# Altium PCB MS1_PCB.PcbDoc (part 2 of 2)
Units mil, origin at the board's own origin, x right, y up, seen from the top; angles counter-clockwise.
Board outline 2755.91 x 5905.51 mil, 4 copper layers (Top Layer, Int Layer 1, Int Layer 2, Bottom Layer), stack 72.136 mil thick; 184 components, 147 nets, 629 pads, 206 vias.
Unrouted connection lines stored in the file: 2.
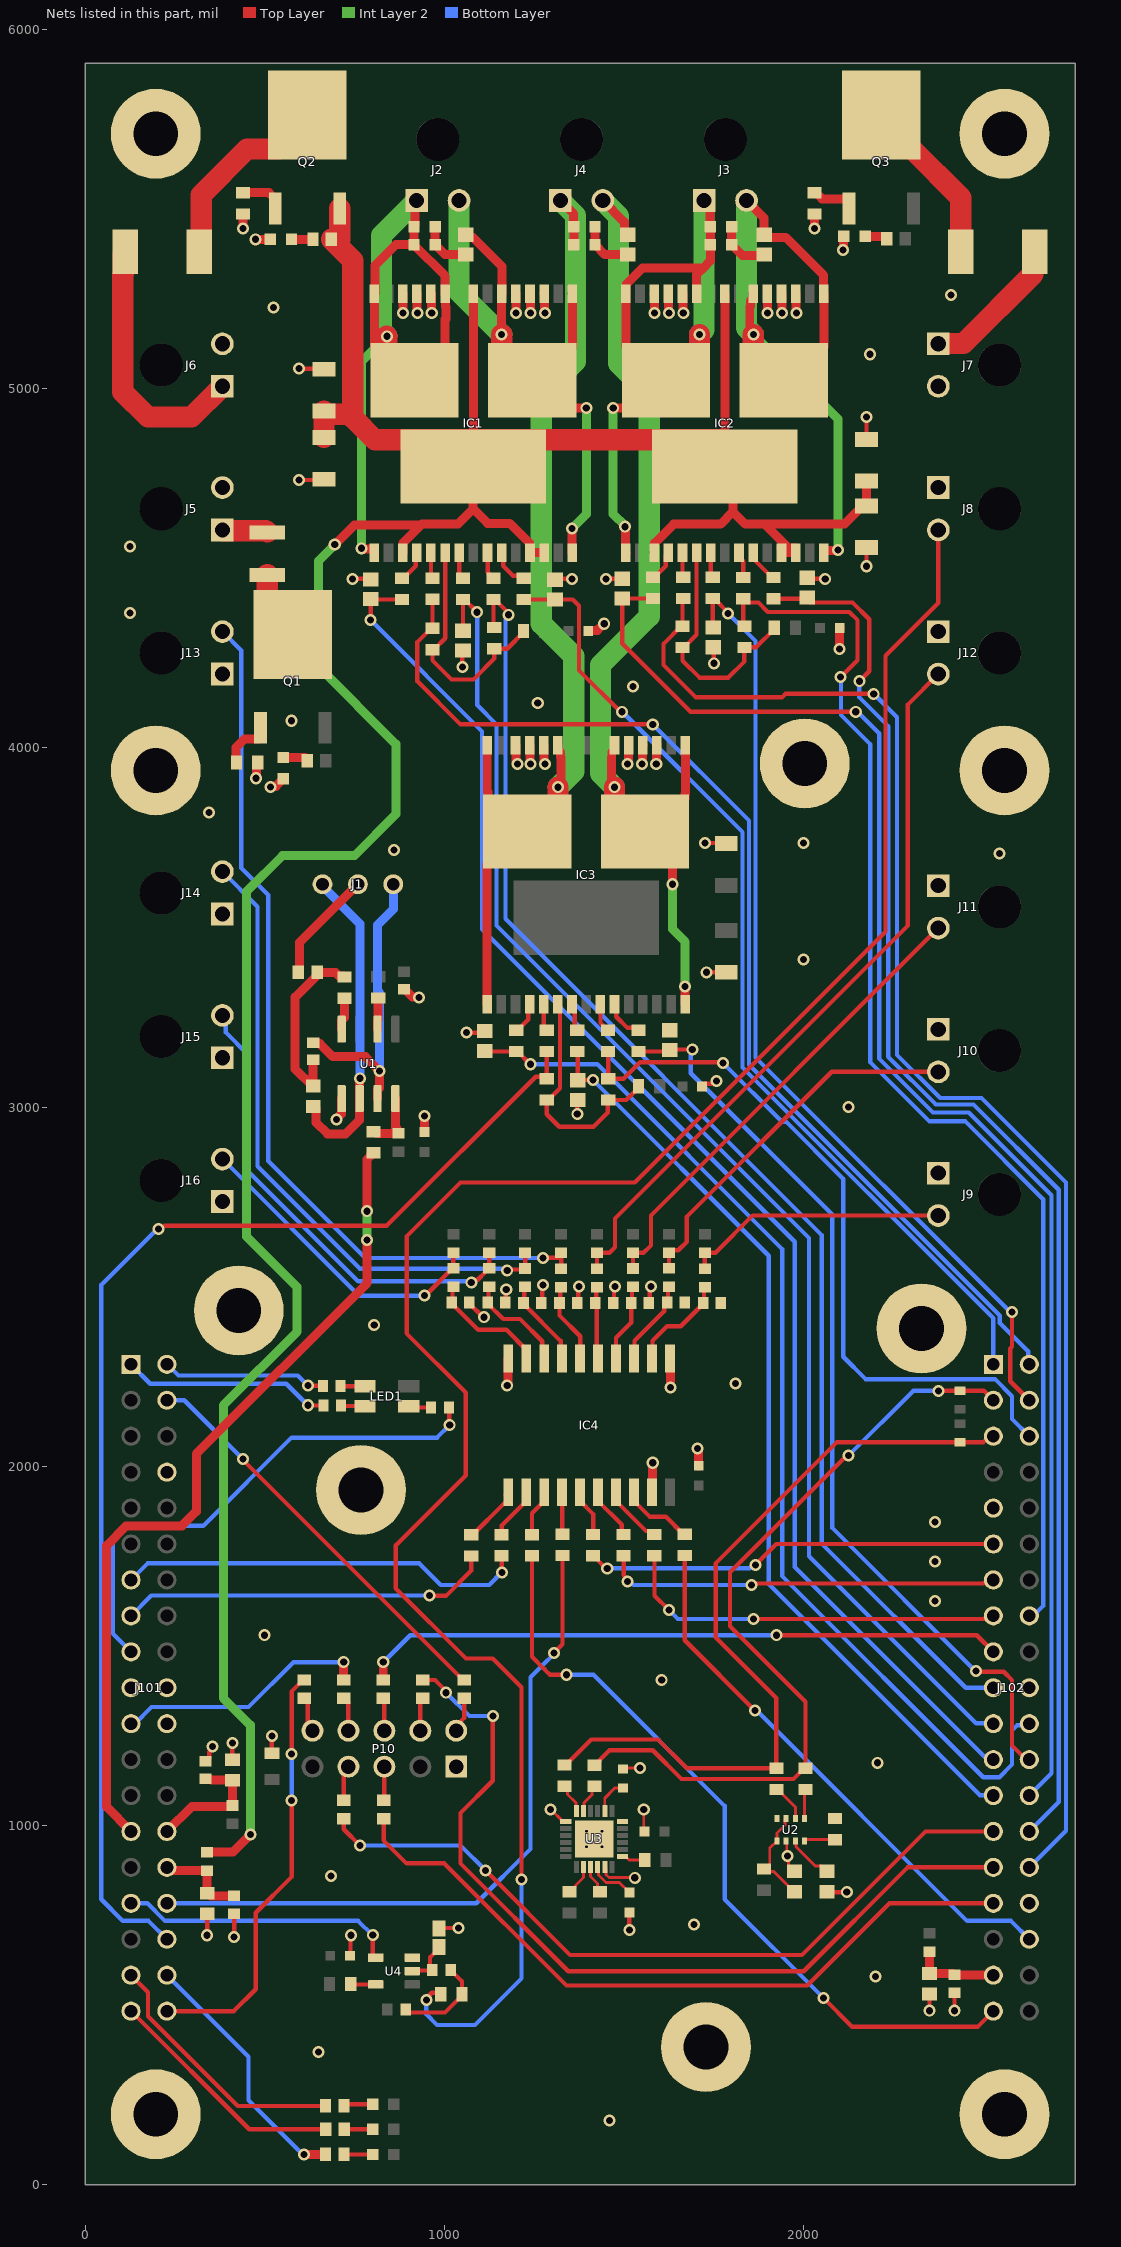
[diagram p4: the nets of this part, all layers, seen from the top]

## Via types
v1: diameter 33.46, hole 19.68, Top Layer to Bottom Layer, 202 vias
v2: diameter 19.68, hole 7.87, Top Layer to Bottom Layer, 4 vias

## Nets (pads, with @x,y where several pads share a name; then routed paths per layer and width w, separated by ;. In a path a pad name is that pad's centre, name@x,y a point inside that pad or via, vN(x,y) a via of type N, cw(c..) or ccw(c..) an arc to the next point about the centre after c; other vN are vias at no path point) (continued)
+9V_REC: C2.1 C4.1 C30.1 C31.1 IC1.3 IC1.12 IC1.13 IC1.23 IC1.33 IC2.3 IC2.12 IC2.13 IC2.23 IC2.33 Q2.3 R67.1 R68.2 | length 9088.3
  Top Layer w25: R68.2@340,926.18 411.18,926.18 v1(460,975) ; v1(695,4565) 750,4620 935.75,4620 ; IC1.3@883.93,4542.54 884.81,4543.43 884.81,4569.06 935.75,4620 ; IC1.23@1081.15,5263.47 1081.15,4856.82 1081.15,4783.16 1080,4782.01 1080,4665 ; IC1.12@1238.26,4542.54 1237.37,4543.43 1237.37,4569.06 1181.96,4624.47 1120.53,4624.47 1080,4665 ; IC1.12@1238.63,4543 IC1.13@1278,4543 ; IC2.3@1584.15,4542.84 1585.04,4543.73 1585.04,4569.36 1638.11,4622.44 1768.84,4622.44 1803.2,4656.8 ; IC2.33@1781,4783 1781,4850 IC2.23@1781,5263.31 ; IC2.33@1792.1,4771.9 1803.2,4760.8 1803.2,4656.8 ; IC2.12@1937.37,4555.63 IC2.12@1951.35,4555.63 ; IC2.12@1938.26,4542.54 IC2.13@1977.63,4542.54 IC2.13@1977.63,4542.54 ; IC2.12@1944.36,4548.65 IC2.12@1951.35,4555.63 ; IC2.13@1977.63,4542.54 IC2.13@1977.63,4542.54 ; IC2.13@1977.85,4542.84 IC2.13@1977.63,4542.54 ; C4.1@2175,4741.93 C31.1@2175,4673.07 2164.17,4673.07 2113.54,4622.44 1891.44,4622.44 ; 935.75,4620 938.19,4622.44 1037.44,4622.44 1080,4665 ; 1803.2,4656.8 1837.56,4622.44 1891.44,4622.44 ; 1891.44,4622.44 1954.8,4559.08 IC2.12@1951.35,4555.63 ; IC2.12@1951.35,4555.63 1976.74,4555.63 1977.63,4554.75 IC2.13@1977.63,4542.54
  Top Layer w50: IC2.33@1780.84,4783.16 1781,4783 IC2.33@1792.1,4771.9
  Top Layer w59.06: C2.1@665,4863.07 C30.1@665,4930.04 ; C30.1@665,4936.93 C30.1@665,4930.04 ; R67.1@685.59,5415 745,5355.59 745,4918.57 ; 708.76,5415 Q2.3@708.76,5500.71 ; IC2.33@1781,4850 1774.18,4856.82 1081.15,4856.82 806.75,4856.82 745,4918.57 ; C30.1@665,4930.04 666.97,4928.07 735.5,4928.07 745,4918.57
  Int Layer 2 w25: v1(460,975) 460,1280 385,1355 385,2170 590,2375 590,2498.98 450,2638.98 450,3600 550,3700 750,3700 865,3815 865,4010 650,4225 650,4520 v1(695,4565)
DIO1: J102.29 R78.1 | length 2413.7
  Top Layer w12: R78.1@940,1405.59 974.41,1405.59 1005,1375 v1(1005,1370) ; v1(1135,1305) 1135,1125 1045,1035 1045,895 1345,595 2000,595 2288.86,883.86 J102.29@2527.95,883.86
  Bottom Layer w12: v1(1005,1370) 1070,1305 v1(1135,1305)
DIO2: J102.27 R80.2 | length 2124.8
  Top Layer w12: R80.2@720,1019.41 720,990 v1(765,945) ; v1(1115,875) 1350,640 1995,640 2338.86,983.86 J102.27@2527.95,983.86
  Bottom Layer w12: v1(765,945) 1045,945 v1(1115,875)
DIO3: J102.31 R79.2 | length 2019.5
  Top Layer w12: R79.2@831,1019.41 831,959 895,895 1000,895 1340,555 2010,555 2238.86,783.86 J102.31@2527.95,783.86
DIO4: J101.4 R77.1 | length 1150.8
  Top Layer w12: v1(440,2020) 440,2017.64 1052.05,1405.59 R77.1@1055,1405.59
  Bottom Layer w12: J101.4@227.95,2183.86 276.14,2183.86 v1(440,2020)
GND: C1.2 C2.2 C3.2 C4.2 C5.2 C6.2 C7.2 C9.1 C10.1 C11.2 C12.2 C13.2 C14.2 C15.1 C16.1 C17.1 C18.1 C19.1 C20.1 C21.1 C22.1 C23.1 C24.2 C25.1 C26.1 C27.1 C28.2 C29.2 C30.2 C31.2 C32.2 DS1.2 DS2.2 DS3.2 IC1.18 IC1.19 IC1.20 IC1.26 IC1.27 IC1.28 IC2.18 IC2.19 IC2.20 IC2.26 IC2.27 IC2.28 IC3.18 IC3.19 IC3.20 IC3.26 IC3.27 IC3.28 IC4.1 IC4.10 IC4.19 J5.2 J6.2 J7.2 J8.1 J9.1 J10.1 J11.1 J12.1 J13.1 J14.1 J15.1 J16.1 J101.8 J101.19 J101.20 J101.22 J102.9 J102.20 J102.32 P10.1 pad.23 pad.24 pad.25 pad.26 pad.27 pad.28 pad.29 pad.30 pad.31 pad.32 pad.33 R62.1 R65.1 R66.1 R69.1 R70.1 R73.1 R92.1 R96.1 R97.1 R98.1 R99.1 R100.1 R101.1 R102.1 R103.1 R104.1 U1.5 U2.1 U2.7 U3.1 U3.11 U3.18 U3.25 U4.3 | length 3865.8
  Top Layer w8: v1(1295,1045) 1296.61,1045 1329.4,1012.21 U3.1@1338.26,1012.21 ; U3.11@1446.53,885.24 1449.42,882.35 1449.42,864.41 1458.27,855.56 1529.44,855.56 v1(1530,855) ; C13.2@1497,1157.57 1499.43,1160 v1(1545,1160) ; v1(1555,1045) 1555,986.44 C11.2@1557.44,984 ; U2.7@1951.2,957.5 1953.1,955.61 1953.1,916.9 v1(1955,915) 1958.33,911.67 1958.33,888.24 1973.03,873.54 C10.1@1975,873.54
  Top Layer w12: C25.1@335,1179.61 336.97,1179.61 345.73,1188.37 345.73,1204.92 355,1214.19 v1(355,1220) ; v1(340,695) R69.1@340,755 ; R65.1@410,1183.54 v1(410,1230) ; v1(415,690) C26.1@415,755.39 ; C28.2@520,1201.42 v1(520,1250) ; v1(595,4745) 663.07,4745 C2.2@665,4746.93 ; v1(595,5055) 663.07,5055 C30.2@665,5053.07 ; C14.2@737.56,638 738.78,639.22 738.78,693.78 v1(740,695) ; v1(745,4470) 793.56,4470 R96.1@795,4468.56 ; C15.1@985,713.22 986.78,715 v1(1040,715) ; v1(1050,4225) 1050,4268.44 R97.1@1052,4270.44 ; v1(1062,3207) 1107.88,3207 R102.1@1112,3211.12 ; C20.1@1069.61,2455.59 1069.61,2453.62 1108.23,2415 v1(1110,2415) ; C21.1@1169.61,2455.59 1170.95,2456.94 1170.95,2490.57 v1(1172.3,2491.92) ; C22.1@1269.61,2454.41 1272.3,2457.11 1272.3,2502.3 v1(1275,2505) ; R98.1@1308,4467.56 1310.44,4470 v1(1355,4470) ; U3.1@1338.26,1012.21 U3.1@1339.15,1011.32 ; C23.1@1369.61,2454.41 1372.3,2457.11 1372.3,2497.3 v1(1375,2500) ; v1(1370,2980) 1370,3018.44 R103.1@1371,3019.44 ; U3.25@1415.03,963 U3.25@1417,963 v2(1438.65,941.35) U3.25@1446.53,933.47 ; v1(1450,4470) 1494.88,4470 R99.1@1495,4470.12 ; C16.1@1469.61,2454.41 1472.3,2457.11 1472.3,2497.3 v1(1475,2500) ; v1(1515,710) C12.2@1515,758.44 ; C17.1@1569.21,2455 1572.11,2457.89 1572.11,2497.11 v1(1575,2500) ; C5.2@1717.56,3057 1725.34,3064.78 1743.53,3064.78 1751.68,3072.93 v1(1757.49,3072.93) ; v1(1725,3735) 1783.07,3735 C32.2@1785,3733.07 ; v1(1730,3375) C6.2@1785,3375 ; R100.1@1748,4279.44 1750,4277.44 v1(1750,4235) ; R101.1@2010,4473 2013,4470 v1(2060,4470) ; C9.1@2065,816.46 2066.46,815 v1(2120,815) ; v1(2175,4505) C31.2@2175,4556.93 ; C4.2@2175,4858.07 v1(2175,4920) ; v1(2350,485) R73.1@2350,531.46 ; v1(2420,485) C27.1@2420,535.39
  Top Layer w25: v1(440,5445) R66.1@440,5485.47 ; v1(475,5415) DS2.2@515.47,5415 ; v1(476.06,3915) 477.68,3916.62 477.68,3956.15 R62.1@480.53,3959 ; v1(516.23,3891.06) 517.85,3892.68 531.22,3892.68 DS1.2@552,3913.47 ; v1(700,2965) 700,2967.29 713.31,2980.6 713.31,3022.66 U1.5@714,3023.35 ; IC1.28@884.3,5263.47 884.46,5263.31 884.46,5210.54 v1(885,5210) ; C7.2@888,3327.39 889.97,3327.39 910.74,3306.62 928.38,3306.62 v1(930,3305) ; IC1.27@923.67,5263.47 924.33,5262.81 924.33,5210.67 v1(925,5210) ; C29.2@945,2930 v1(945,2975) ; IC1.26@963.04,5263.47 963.93,5262.59 963.93,5211.07 v1(965,5210) ; v1(1175,2225) 1175,2227.29 1176.72,2229.01 1176.72,2298.74 IC4.10@1178,2300.02 ; IC3.28@1198.15,4007.31 1198.81,4006.65 1198.81,3961.01 1203.07,3956.75 v1(1203.07,3955) ; IC1.20@1199.26,5263.47 1199.63,5263.1 1199.63,5210.37 v1(1200,5210) ; IC3.27@1237.52,4007.31 1238.41,4006.43 1238.41,3956.59 v1(1240,3955) ; IC1.19@1238.63,5263.47 1239.31,5262.79 1239.31,5210.68 v1(1240,5210) ; IC3.26@1276.89,4007.31 1277.78,4006.43 1277.78,3959.51 1280,3957.29 v1(1280,3955) ; IC1.18@1278,5263.47 1278.89,5262.59 1278.89,5211.11 v1(1280,5210) ; C1.2@1400.56,4325 1401.84,4326.28 1426.12,4326.28 1443.22,4343.38 v1@1443.38,4343.38 ; v1(1510,3955) 1510,3957.29 1512.22,3959.51 1512.22,4006.43 IC3.20@1513.11,4007.31 ; v1(1550,3955) 1551.59,3956.59 1551.59,4006.43 IC3.19@1552.48,4007.31 ; IC4.19@1578,1927.98 1579,1928.98 1579,2009 v1(1580,2010) ; IC2.28@1584.15,5263.31 1584.57,5262.89 1584.57,5210.43 v1(1585,5210) ; v1(1589.75,3954.75) 1590.74,3955.74 1590.74,4006.21 IC3.18@1591.85,4007.31 ; IC2.27@1623.52,5263.31 1624.26,5262.57 1624.26,5210.74 v1(1625,5210) ; IC4.1@1628,2300.02 1629,2299.02 1629,2221 v1(1630,2220) ; IC2.26@1662.89,5263.31 1663.78,5262.43 1663.78,5211.22 v1(1665,5210) ; v1(1705,2050) 1705,2047.71 1708,2044.71 C24.2@1708,2001.56 ; v1@1898.91,5210.02 1898.91,5263.12 IC2.20@1899.11,5263.31 ; IC2.19@1938.48,5263.31 1939.24,5262.56 1939.24,5210.76 v1(1940,5210) ; IC2.18@1977.85,5263.31 1978.74,5262.43 1978.74,5211.26 v1(1980,5210) ; v1(2030,5445) R70.1@2030,5485.47 ; v1(2100,4275) 2100.28,4275.28 2100.28,4332.72 C3.2@2100.56,4333 ; v1(2110,5385) 2111,5386 2111,5422 DS3.2@2112,5423
  other v1: 1460,180 650,370 2200,580 1695,725 685,860 2205,1175 1605,1405 500,1530 2365,1625 2365,1735 2365,1845 1810,2230 804.91,2393.88 2125,3000 2000,3410 2545,3705 860,3715 2000,3735 345,3820 575,4075 1260,4125 1525,4170 1445,4345 125,4375 125,4560 2185,5095 1898.94,5210 525,5225 2410,5260
  other v2: 1395.35,941.35 1395.35,984.65 1438.65,984.65
NetC8_1: C8.1 R25.1 R26.1 R93.2 | length 512.8
  Top Layer w25: C8.1@636,3130.38 C8.1@635,3131.38 R25.1@635,3058.54 632.05,3058.54 585,3105.59 585,3306.09 R26.1@647.04,3368.12 ; R26.1@646.57,3375 696.89,3375 706.58,3365.3 718.75,3365.3 R93.2@722,3362.06
NetC8_2: C8.2 J1.3 U1.7 | length 835.1
  Top Layer w25: C8.2@635,3178.62 637.26,3176.36 653.64,3176.36 690,3140 780,3140 v1(820,3100) ; U1.7@814,3023.35 814,3047.56 820,3053.56 v1@820,3097.71
  Bottom Layer w25: v1(820,3100) 820,3317.45 814,3323.45 814,3507.17 857.85,3551.02 J1.3@857.85,3620
NetC9_2: C9.2 U2.6 | length 131.4
  Top Layer w8: U2.6@1976.8,957.5 1978.5,955.8 1978.5,941.5 2032.18,887.82 2050.72,887.82 C9.2@2065,873.54
NetC10_2: C10.2 R29.1 U2.2 U2.8 | length 275.8
  Top Layer w8: R29.1@1890,879.53 1897.26,872.27 1917,872.27 1958.11,831.16 1960.3,831.16 C10.2@1975,816.46 ; R29.1@1893.94,879.53 1905.69,891.28 1905.69,937.57 U2.8@1925.61,957.5 1925.61,979.35 1948.31,1002.05 1948.31,1017.61 U2.2@1951.2,1020.5
NetC12_1: C12.1 U3.10 | length 129.8
  Top Layer w8: U3.10@1426.84,885.24 1428.9,883.18 1428.9,862.71 1449.96,841.65 1486.91,841.65 C12.1@1515,813.56
NetC13_1: C13.1 U3.20 | length 97.8
  Top Layer w8: U3.20@1446.53,1040.76 1446.53,1076.53 1474.43,1104.43 C13.1@1497,1104.43
NetC15_2: C15.2 R39.1 U4.2 | length 133.2
  Top Layer w12: U4.2@911,595.4 912.3,596.7 965.11,596.7 960,601.81 960,633.47 985,658.47 C15.2@985,662.78
NetC16_2: C16.2 IC4.5 R47.1 | length 203.9
  Top Layer w12: R47.1@1425,2498.82 1422.7,2496.52 1422.7,2456.71 C16.2@1420.39,2454.41 1424.2,2450.61 1424.2,2303.83 IC4.5@1428,2300.02
NetC17_2: C17.2 IC4.4 R46.1 | length 218.7
  Top Layer w12: IC4.4@1478,2300.02 1478,2358 1520,2400 C17.2@1520,2455 1522.3,2457.3 1522.3,2497.11 R46.1@1524.61,2499.41
NetC18_2: C18.2 IC4.3 R45.1 | length 240.2
  Top Layer w12: IC4.3@1528,2300.02 1529.38,2301.4 1529.38,2349.38 1611.63,2431.63 1611.63,2446.83 C18.2@1620.39,2455.59 1622.7,2457.89 1622.7,2497.7 R45.1@1625,2500
NetC19_2: C19.2 IC4.2 R44.1 | length 281.3
  Top Layer w12: IC4.2@1578,2300.02 1579.38,2301.4 1579.38,2349.38 1620,2390 1657.95,2390 1720.39,2452.44 C19.2@1720.39,2454.41 1722.7,2456.71 1722.7,2495.93 R44.1@1725,2498.23
NetC20_2: C20.2 IC4.9 R95.1 | length 333.9
  Top Layer w12: R95.1@1025,2500 1022.7,2497.7 1022.7,2457.89 C20.2@1020.39,2455.59 1020.39,2453.62 1094.02,2380 1172.63,2380 1228,2324.63 IC4.9@1228,2300.02
NetC21_2: C21.2 IC4.8 R94.1 | length 294.3
  Top Layer w12: R94.1@1125,2500 1122.7,2497.7 1122.7,2457.89 C21.2@1120.39,2455.59 1120.39,2453.62 1164.02,2410 1210.26,2410 1272.31,2347.95 1272.31,2305.71 IC4.8@1278,2300.02
NetC22_2: C22.2 IC4.7 R53.1 | length 245.9
  Top Layer w12: R53.1@1225,2499.41 1222.7,2497.11 1222.7,2456.71 C22.2@1220.39,2454.41 1220.39,2452.44 1323.59,2349.24 1323.59,2304.43 IC4.7@1328,2300.02
NetC23_2: C23.2 IC4.6 R52.1 | length 224.6
  Top Layer w12: R52.1@1325,2498.82 1322.7,2496.52 1322.7,2456.71 C23.2@1320.39,2454.41 1320.39,2419.61 1378,2362 IC4.6@1378,2300.02
NetC25_2: C25.2 J101.28 R64.1 R65.2 | length 358.9
  Top Layer w25: J101.28@227.95,983.86 298.01,1053.92 407.74,1053.92 R64.1@410,1056.18 R65.2@410,1126.46 351.83,1126.46 350.16,1128.13 337.26,1128.13 C25.2@335,1130.39
NetC26_2: C26.2 J101.30 R68.1 R69.2 | length 256.7
  Top Layer w25: J101.30@227.95,883.86 235.57,883.86 244.43,875 R68.1@340,875 R69.2@340,812.09 342.95,812.09 350.43,804.61 C26.2@415,804.61
NetC27_2: C27.2 J102.35 R72.1 R73.2 | length 240.8
  Top Layer w25: R72.1@2350,649.41 R73.2@2350,588.54 2414.09,588.54 2418.03,584.61 C27.2@2420,584.61 2420.37,584.23 2527.58,584.23 J102.35@2527.95,583.86
NetDS1_1: DS1.1 R63.2 | length 71.7
  Top Layer w25: DS1.1@552,3972.52 612.84,3972.52 618.41,3966.95 R63.2@618.41,3964
NetDS2_1: DS2.1 R67.2 | length 59.9
  Top Layer w25: DS2.1@574.52,5415 R67.2@634.41,5415
NetDS3_1: DS3.1 R71.2 | length 65
  Top Layer w25: DS3.1@2171.06,5423 2227.36,5423 2231.41,5418.95 R71.2@2231.41,5416
NetDS4_2: DS4.2 R74.1 | length 79.9
  Top Layer w12: R74.1@720.59,85 DS4.2@800.47,85
NetDS5_2: DS5.2 R75.1 | length 81.9
  Top Layer w12: R75.1@720.59,220 725.59,225 DS5.2@800.47,225
NetDS6_2: DS6.2 R76.1 | length 79.3
  Top Layer w12: R76.1@721.18,155 DS6.2@800.47,155
NetDS7_2: DS7.2 DS8.1 R105.2 | length 146.9
  Top Layer w25: DS7.2@974.53,5450 DS8.1@974.52,5400 1002.08,5372.44 R105.2@1060,5372.44
NetDS9_2: DS9.2 DS10.1 R106.2 | length 153.9
  Top Layer w25: DS9.2@1799.53,5450 DS10.1@1799.52,5400 1829.52,5370 1887.56,5370 R106.2@1890,5372.44
NetDS11_2: DS11.2 DS12.1 R107.2 | length 151.9
  Top Layer w25: DS11.2@1419.53,5450 DS12.1@1419.52,5400 1447.08,5372.44 R107.2@1510,5372.44
NetF1_1: F1.1 J5.1 | length 127.1
  Top Layer w59.06: J5.1@382.3,4605.94 384.37,4603.88 503.18,4603.88 F1.1@507,4600.06
NetF1_2: F1.2 Q1.2 | length 195.4
  Top Layer w59.06: F1.2@507,4481.94 507,4387 Q1.2@578,4316
NetF2_1: F2.1 J6.1 | length 734.8
  Top Layer w59.06: F2.1@112.05,5380 106.54,5374.49 106.54,5319.2 105,5317.66 105,4990 175,4920 296.35,4920 J6.1@382.3,5005.94
NetF2_2: F2.2 Q2.2 | length 556.9
  Top Layer w59.06: F2.2@317.95,5380 323.46,5385.51 323.46,5538.46 451.06,5666.06 539.28,5666.06 619,5745.79 Q2.2@619,5760.55
NetF3_1: F3.1 J7.1 | length 407.7
  Top Layer w59.06: J7.1@2374.7,5124.06 2375.2,5124.55 2444.55,5124.55 2637.44,5317.44 2637.44,5374.49 F3.1@2642.95,5380
NetF3_2: F3.2 Q3.2 | length 475.5
  Top Layer w59.06: Q3.2@2216,5760.55 2216,5745.79 2295.72,5666.06 2301.57,5666.06 2437.05,5530.59 F3.2@2437.05,5380
NetIC1_4: IC1.4 R1.2 | length 91
  Top Layer w12: R1.2@882,4471.53 885.94,4471.53 920.85,4506.44 920.85,4540.18 IC1.4@923.67,4543
NetIC1_5: IC1.5 R2.2 | length 72.6
  Top Layer w12: IC1.5@963.04,4543 963.04,4475.96 R2.2@967,4472
NetIC1_6: IC1.6 R6.2 R7.2 R83.2 | length 666.7
  Top Layer w12: IC1.6@1002.41,4543 1002.41,4304.47 970.94,4273 R7.2@967,4273 967,4243 1020,4190 1081,4190 1139,4248 R6.2@1139,4275.47 1174.88,4275.47 1220.47,4321.06 R83.2@1220.47,4325
NetIC1_7: IC1.7 R3.2 | length 76
  Top Layer w12: IC1.7@1041.78,4543 1041.78,4481.28 1051.53,4471.53 R3.2@1052,4471.53
NetIC1_9: IC1.9 R4.2 | length 80.6
  Top Layer w12: IC1.9@1120.52,4543 1120.52,4488.31 1123.31,4485.51 1123.31,4481.28 1133.06,4471.53 R4.2@1137,4471.53
NetIC1_10: IC1.10 R5.2 | length 110
  Top Layer w12: IC1.10@1159.89,4543 1163.56,4539.33 1163.56,4506.44 1191.29,4478.71 1213.82,4478.71 R5.2@1221,4471.53
NetIC2_4: IC2.4 R10.2 | length 88.2
  Top Layer w12: R10.2@1581,4474.53 1584.94,4474.53 1616.13,4505.72 1616.13,4535.46 IC2.4@1623.52,4542.84
NetIC2_5: IC2.5 R11.2 | length 69.2
  Top Layer w12: IC2.5@1662.89,4542.84 1662.89,4476.64 R11.2@1665,4474.53
NetIC2_6: IC2.6 R8.2 R9.2 R84.2 | length 676.7
  Top Layer w12: IC2.6@1702.04,4542.54 1702.04,4314.1 1666.94,4279 R8.2@1663,4279 1663,4242 1710,4195 1790,4195 1835,4240 R9.2@1835,4278.94 1835.98,4279.93 1868.34,4279.93 1918.47,4330.06 R84.2@1918.47,4334
NetIC2_7: IC2.7 R12.2 | length 71
  Top Layer w12: IC2.7@1741.63,4542.84 1741.63,4479.43 R12.2@1747,4474.06
NetIC2_9: IC2.9 R13.2 | length 74.1
  Top Layer w12: IC2.9@1820.37,4542.84 1820.37,4530.64 1832,4519.01 R13.2@1832,4473.53
NetIC2_10: IC2.10 R14.2 | length 94.9
  Top Layer w12: IC2.10@1859.74,4542.84 1867.13,4535.46 1867.13,4518.46 1912.06,4473.53 R14.2@1916,4473.53
NetIC3_4: IC3.4 R17.2 | length 91.2
  Top Layer w12: R17.2@1200,3213.53 1203.94,3213.53 1233.66,3243.25 1233.66,3282.98 IC3.4@1237.52,3286.84
NetIC3_5: IC3.5 R18.2 | length 76.7
  Top Layer w12: IC3.5@1276.89,3286.84 1276.89,3221.64 R18.2@1285,3213.53
NetIC3_6: IC3.6 R15.2 R16.2 R85.2 | length 665.8
  Top Layer w12: IC3.6@1316.26,3286.84 1321.75,3281.35 1321.75,3052.28 1288.94,3019.47 R15.2@1285,3019.47 1285,2980 1320.03,2944.97 1329.97,2944.97 1415,2945 1455,2985 1455,3018.47 R16.2@1456,3019.47 1506.35,3019.47 1540.94,3054.06 R85.2@1540.94,3058
NetIC3_7: IC3.7 R19.2 | length 79.3
  Top Layer w12: IC3.7@1355.63,3286.84 1363.02,3279.46 1363.02,3220.51 R19.2@1370,3213.53
NetIC3_9: IC3.9 R20.2 | length 84.2
  Top Layer w12: IC3.9@1434.37,3286.84 1434.37,3234.21 1441.31,3227.27 1441.31,3223.28 1451.06,3213.53 R20.2@1455,3213.53
NetIC3_10: IC3.10 R21.2 | length 114.5
  Top Layer w12: IC3.10@1473.74,3286.84 1478.66,3281.92 1478.66,3251.33 1509.79,3220.21 1533.32,3220.21 R21.2@1540,3213.53
NetIC4_11: IC4.11 R61.1 | length 177.5
  Top Layer w12: R61.1@1075,1809.53 1078.94,1809.53 1165,1895.59 1170.22,1895.59 1178,1903.37 IC4.11@1178,1927.98 IC4.11@1170.22,1920.2
NetIC4_12: IC4.12 R60.1 | length 146.5
  Top Layer w12: R60.1@1159,1810.06 1160,1811.06 1160,1835.37 1228,1903.37 IC4.12@1228,1927.98
NetIC4_13: IC4.13 R59.1 | length 132
  Top Layer w12: R59.1@1244,1810.06 1244,1869.37 1278,1903.37 IC4.13@1278,1927.98
NetIC4_14: IC4.14 R58.1 | length 120.2
  Top Layer w12: R58.1@1329,1811 1328,1812 IC4.14@1328,1927.98 IC4.14@1330,1925.98
NetIC4_15: IC4.15 R57.1 | length 147.3
  Top Layer w12: IC4.15@1385.78,1920.2 IC4.15@1378,1927.98 1378,1903.37 1414,1867.37 R57.1@1414,1810.53 R57.1@1410.06,1810.53
NetIC4_16: IC4.16 R56.1 | length 146.9
  Top Layer w12: IC4.16@1428,1927.98 1428,1903.37 1494.12,1837.25 1494.12,1815.4 R56.1@1499,1810.53
NetIC4_17: IC4.17 R55.1 | length 169.1
  Top Layer w12: IC4.17@1478,1927.98 1478,1903.37 1561.09,1820.28 1574.25,1820.28 R55.1@1584,1810.53
NetIC4_18: IC4.18 R54.1 | length 203.9
  Top Layer w12: IC4.18@1528,1927.98 1528,1903.37 1571.37,1860 1616.06,1860 1665.06,1811 R54.1@1669,1811
NetJ1_1: J1.1 R25.2 U1.6 | length 899
  Top Layer w25: R25.2@635,3001.46 637.26,3001.46 642.48,2996.24 642.48,2957.52 675,2925 725,2925 764,2964 U1.6@764,3023.35 764.5,3023.85 764.5,3079.5 v1(765,3080)
  Bottom Layer w25: J1.1@661,3620 661,3614 765,3510 v1(765,3080)
NetJ1_2: J1.2 R26.2 | length 313.8
  Top Layer w25: R26.2@593.43,3375 596.67,3378.25 596.67,3457.25 J1.2@759.43,3620
NetJ8_2: J8.2 R35.1 | length 5710
  Top Layer w12: v1@951.95,516.95 v1(950,515) 950,520 965,535 985.94,535 R35.1@989.94,531 989.94,527.06 R35.1@980.2,517.31 ; v1(1215,850) 1215,1385 1135,1465 1060.32,1465 865,1660.32 865,1780 1060,1975 1060,2205 895,2370 895,2640 1045,2790 1530,2790 2227.73,3487.73 2227.73,4256.11 2374.7,4403.08 J8.2@2374.7,4605.94
  Bottom Layer w12: v1(950,515) 950,475 979.57,445.43 1085.43,445.43 1215,575 v1(1215,850)
NetJ9_2: J9.2 R40.1 R44.2 | length 737.6
  Top Layer w12: R44.2@1725,2549.41 R40.1@1725,2594.41 1754.41,2594.41 1857.94,2697.94 J9.2@2374.7,2697.94
NetJ10_2: J10.2 R41.1 R45.2 | length 1042.5
  Top Layer w12: R45.2@1625,2551.18 R41.1@1625,2594.41 1631.77,2601.18 1651.18,2601.18 1675,2625 1675,2695 2077.94,3097.94 J10.2@2374.7,3097.94
NetJ11_2: J11.2 R42.1 R46.2 | length 1316.7
  Top Layer w12: R46.2@1524.61,2550.59 1524.8,2550.79 R42.1@1524.8,2594.21 ; R42.1@1525,2594.41 1554.41,2594.41 1575,2615 1575,2698.24 J11.2@2374.7,3497.94
  Top Layer w25: R42.1@1524.8,2594.21 R42.1@1525,2594.41
NetJ12_2: J12.2 R43.1 R47.2 | length 2068.5
  Top Layer w12: R47.2@1425,2550 R43.1@1425,2594.41 1459.41,2594.41 1475,2610 1475,2690 2290,3505 2290,4120.24 J12.2@2374.7,4204.94
NetJ13_2: J13.2 R48.1 R52.2 | length 2483.6
  Top Layer w12: v1(1275,2580) 1275.61,2580.61 1325,2580.61 R52.2@1325,2550
  Bottom Layer w12: J13.2@382.3,4323.06 435,4270.35 435,3665 510,3590 510,2850 780,2580 v1(1275,2580)
NetJ14_2: J14.2 R49.1 R53.2 | length 1771.8
  Top Layer w12: v1(1175,2545) 1177.8,2547.8 1222.2,2547.8 R53.2@1225,2550.59 R49.1@1225,2594.41
  Bottom Layer w12: J14.2@382.3,3655.06 480,3557.35 480,2835 765,2550 1159.19,2550 1160.08,2549.11 1170.89,2549.11 v1(1175,2545)
NetJ15_2: J15.2 R50.1 R94.2 | length 1323.9
  Top Layer w12: v1(1075,2511.36) 1080.81,2511.36 1088.55,2519.11 1092.93,2519.11 1114.27,2540.45 1114.27,2542.42 1123.03,2551.18 R94.2@1125,2551.18 R50.1@1125,2594.41
  Bottom Layer w12: J15.2@382.3,3255.06 392.09,3245.26 392.09,3207.18 450,3149.27 450,2825 760,2515 1071.36,2515 v1(1075,2511.36)
NetJ16_2: J16.2 R51.1 R95.2 | length 874.9
  Top Layer w12: v1(945,2475) 946.85,2475 1023.03,2551.18 R95.2@1025,2551.18 1025,2555.76 R51.1@1025,2594.41
  Bottom Layer w12: J16.2@382.3,2855.06 762.35,2475 v1(945,2475)
NetJ101_1: J101.1 R86.1 | length 583
  Top Layer w12: v1(620,2170) 620.5,2169.5 662.89,2169.5 R86.1@663.39,2169
  Bottom Layer w12: J101.1@127.95,2283.86 181.81,2230 560,2230 v1(620,2170)
NetJ101_2: J101.2 R87.1 | length 459.3
  Top Layer w12: v1(620,2225) 621,2224 661,2224 R87.1@662,2223
  Bottom Layer w12: J101.2@227.95,2283.86 229.09,2283.86 260.04,2252.91 592.09,2252.91 v1(620,2225)
NetJ101_13: J101.13 R60.2 | length 1136.9
  Top Layer w12: R60.2@1159,1751 1160,1750 v1(1160,1705)
  Bottom Layer w12: J101.13@127.95,1683.86 174.09,1730 930,1730 990,1670 1125,1670 v1(1160,1705)
NetJ101_15: J101.15 R61.2 | length 1040.6
  Top Layer w12: v1(958.3,1640.45) 959.26,1639.49 1004.49,1639.49 1075,1710 R61.2@1075,1750.47
  Bottom Layer w12: J101.15@127.95,1583.86 184.54,1640.45 v1(958.3,1640.45)
NetJ101_17: J101.17 R88.1 | length 1452.9
  Top Layer w12: R88.1@1012.61,2164 1013.8,2162.8 1013.8,2116.2 v1(1015,2115)
  Bottom Layer w12: J101.17@127.95,1483.86 77.95,1533.86 77.95,1797.47 114.73,1834.25 329.25,1834.25 575,2080 980,2080 v1(1015,2115)
NetJ101_27: J101.27 R23.1 | length 2321.6
  Top Layer w25: J101.27@127.95,983.86 127.95,984.51 60,1052.47 60,1779.52 114.73,1834.25 269.25,1834.25 310,1875 310,2035 785,2510 v1(785,2630) ; v1(785,2710) 785,2854.47 795.81,2865.29 795.81,2869.22 799.06,2872.47 R23.1@803,2872.47 R23.1@800,2869.47
  Int Layer 2 w25: v1(785,2630) v1(785,2710)
NetJ101_31: J101.31 U4.4 | length 776.5
  Top Layer w12: v1(800.86,695.3) 800.86,638.61 806.67,632.8 U4.4@808.64,632.8
  Bottom Layer w12: J101.31@127.95,783.86 173.53,783.86 222.39,735 760,735 799.7,695.3 v1(800.86,695.3)
NetJ101_32: J101.32 R58.2 | length 1928.5
  Top Layer w12: v1(1305,1480) 1305,1481.12 1329,1505.12 R58.2@1329,1751.94
  Bottom Layer w12: J101.32@227.95,783.86 1088.86,783.86 1240,935 1240,1412.97 1272.03,1445 1305,1477.97 v1(1305,1480)
NetJ101_34: J101.34 R15.1 R18.1 | length 3497.3
  Top Layer w12: v1(205,2660) 210.81,2660 220.81,2670 840,2670 1254.34,3084.34 1279.18,3084.34 R15.1@1285,3078.53 1285,3084.34 R18.1@1285,3154.47
  Bottom Layer w12: v1(205,2660) 200,2660 45,2505 45,795 105,735 176.81,735 J101.34@227.95,683.86
NetJ101_35: J101.35 R75.2 | length 731.3
  Top Layer w12: J101.35@127.95,583.86 175.41,536.4 175.41,469.59 425,220 R75.2@669.41,220
NetJ101_36: J101.36 R74.2 | length 726.5
  Top Layer w25: v1(610,85) R74.2@669.41,85
  Int Layer 2 w25: J101.36@227.95,583.86 J101.36@235.57,583.86
  Bottom Layer w12: J101.36@227.95,583.86 455,356.81 455,235.93 605.93,85 v1(610,85)
NetJ101_37: J101.37 R76.2 | length 678.3
  Top Layer w12: J101.37@127.95,483.86 456.81,155 R76.2@670,155
NetJ102_1: J102.1 R5.1 R98.2 | length 2752.8
  Top Layer w12: R5.1@1221,4412.47 R98.2@1308,4412.44 ; R98.2@1308,4412.44 1357.56,4412.44 1374.87,4395.13 1374.87,4215.13 1490,4100 v1(1495,4100)
  Bottom Layer w12: v1(1495,4100) 1830,3765 1830,3110 2527.95,2412.05 J102.1@2527.95,2283.86
NetJ102_2: J102.2 R2.1 R7.1 | length 3168.8
  Top Layer w12: R2.1@967,4412.94 R7.1@967,4332.06 965.53,4333.53 964.54,4333.53 925,4293.99 925,4185 1045,4065 v1(1580,4065)
  Bottom Layer w12: v1(1580,4065) 1847.91,3797.09 1847.91,3117.42 2545.86,2419.46 2545.86,2399.14 2625.03,2319.97 2625.03,2286.78 J102.2@2627.95,2283.86
NetJ102_4: J102.4 R12.1 R100.2 | length 2686.4
  Top Layer w12: R100.2@1748,4334.56 1747,4335.56 R12.1@1747,4415 1750.94,4415 1789.34,4376.6 v1(1789.34,4373.93) ; v1(2580,2430) 2580,2333 2575,2328 2575,2236.81 J102.4@2627.67,2184.14
  Bottom Layer w12: v1(1789.34,4373.93) 1866.17,4297.1 1866.17,3138.03 2574.19,2430 v1(2580,2430)
NetJ102_6: J102.6 R16.1 R20.1 | length 2025.8
  Top Layer w12: R20.1@1455,3154.47 1456,3153.47 R16.1@1456,3078.53 1498.53,3078.53 1545,3125 1773.63,3125 v1(1775.81,3122.82)
  Bottom Layer w12: v1(1775.81,3122.82) 1939.27,2959.36 1950.64,2959.36 2110,2800 2110,2305 2172.27,2242.73 2532.27,2242.73 2580,2195 2580,2131.81 J102.6@2627.95,2083.86
NetJ102_11: J102.11 R57.2 | length 1159
  Top Layer w12: R57.2@1414,1751.47 1417.94,1751.47 1427.69,1741.72 1427.69,1737.79 1449.43,1716.04 v1(1453.37,1716.04) ; v1(1865.89,1725.89) 1923.86,1783.86 J102.11@2527.95,1783.86
  Bottom Layer w12: v1(1453.37,1716.04) 1850.23,1716.04 1860.08,1725.89 v1(1865.89,1725.89)
NetJ102_13: J102.13 R56.2 | length 1103.9
  Top Layer w12: R56.2@1499,1751.47 1499,1696.81 1510,1685.81 v1(1510,1680) ; v1(1855,1670) 1859.11,1674.11 2500.35,1674.11 2502.23,1675.98 2520.08,1675.98 J102.13@2527.95,1683.86
  Bottom Layer w12: v1(1510,1680) 1515.81,1680 1525.81,1670 v1(1855,1670)
NetJ102_15: J102.15 R55.2 | length 1085.4
  Top Layer w12: R55.2@1584,1751.47 1585,1750.47 1585,1640 v1(1625,1600) ; v1(1860,1575) 2500.35,1575 2501.33,1575.98 2520.08,1575.98 J102.15@2527.95,1583.86
  Bottom Layer w12: v1(1625,1600) 1650,1575 v1(1860,1575)
NetJ102_16: J102.16 R9.1 R13.1 | length 3518.6
  Top Layer w12: R13.1@1832,4404.06 1832,4341 R9.1@1835,4338 ; R13.1@1832,4414.47 1835.94,4410.54 1835.94,4404.06 1874.14,4404.06 1900.32,4377.89 2127.11,4377.89 2150,4355 2150,4243.41 v1(2103.12,4196.53)
  Bottom Layer w12: v1(2103.12,4196.53) 2104,4195.65 2104,4091 2185,4010 2185,3125 2350,2960 2450,2960 2666.43,2743.57 2666.43,1611.34 2638.95,1583.86 J102.16@2627.95,1583.86
NetJ102_19: J102.19 R4.1 R6.1 | length 3737.8
  Top Layer w12: R6.1@1139,4334.53 1137,4336.53 R4.1@1137,4412.47 1140.94,4412.47 1178.37,4375.04 v1(1178.37,4369.96)
  Bottom Layer w12: v1(1178.37,4369.96) 1178.37,4364.15 1170,4355.78 1170,3523.93 2050,2643.93 2050,1785 2451.14,1383.86 J102.19@2527.95,1383.86
NetJ102_21: J102.21 R3.1 R97.2 | length 3856.6
  Top Layer w12: R97.2@1052,4325.56 R3.1@1052,4412.47 1055.94,4412.47 v1(1091.37,4377.04)
  Bottom Layer w12: v1(1091.37,4377.04) 1091.37,4118.63 1145,4065 1145,3505.32 2015,2635.32 2015,1750 2480.41,1284.59 2527.22,1284.59 J102.21@2527.95,1283.86
NetJ102_22: J102.22 R17.1 R102.2 | length 3003.7
  Top Layer w12: R102.2@1112,3156 1113.53,3154.47 R17.1@1200,3154.47 1203.94,3154.47 v1(1239.37,3119.04)
  Bottom Layer w12: v1(1239.37,3119.04) 1425.96,3119.04 1940,2605 1940,1695 2500,1135 2545,1135 2580,1170 2580,1265.49 2593.64,1279.13 2623.23,1279.13 J102.22@2627.95,1283.86
NetJ102_23: J102.23 R1.1 R96.2 | length 4044.6
  Top Layer w12: v1(795,4355) R96.2@795,4413.44 795.97,4412.47 R1.1@882,4412.47
  Bottom Layer w12: v1(795,4355) 1105,4045 1105,3495 1975,2625 1975,1720 2503.27,1191.73 2520.08,1191.73 J102.23@2527.95,1183.86
NetJ102_24: J102.24 R21.1 R104.2 | length 2570.3
  Top Layer w12: R21.1@1540,3154.47 1623.03,3154.47 1628.56,3160 v1(1690,3160) ; v1(2480,1430) 2481.67,1428.33 2556.67,1428.33 2580,1405 2580,1222.97 2619.11,1183.86 J102.24@2627.95,1183.86
  Bottom Layer w12: v1(1690,3160) 1685.89,3155.89 1685.89,3094.11 2080,2700 2080,1828.49 2478.49,1430 v1(2480,1430)
NetJ102_25: J102.25 R19.1 R103.2 | length 2597.4
  Top Layer w12: R19.1@1370,3154.47 1371,3153.47 R103.2@1371,3074.56 1371.44,3075 v1(1413.68,3075)
  Bottom Layer w12: v1(1413.68,3075) 1902.73,2585.94 1902.73,1672.27 2490.41,1084.59 2527.22,1084.59 J102.25@2527.95,1083.86
NetJ102_26: J102.26 R10.1 R99.2 | length 4268.8
  Top Layer w12: R10.1@1581,4415.47 1495.47,4415.47 R99.2@1495,4415 1495,4290 1685,4100 v1(2145,4100)
  Bottom Layer w12: v1(2145,4100) 2150,4100 2210,4040 2210,3135 2360,2985 2459.68,2985 2690,2754.68 2690,1145.91 J102.26@2627.95,1083.86
NetJ102_28: J102.28 R14.1 R101.2 | length 4000.6
  Top Layer w12: R14.1@1916,4414.47 2006.59,4414.47 2016.87,4404.2 2135.8,4404.2 2182.58,4357.42 2182.58,4212.58 v1(2155,4185)
  Bottom Layer w12: v1(2155,4185) 2155,4140 2235,4060 2235,3140 2367.91,3007.09 2472.91,3007.09 2710,2770 2710,1065.91 J102.28@2627.95,983.86
NetJ102_30: J102.30 R8.1 R11.1 | length 4434.4
  Top Layer w12: R11.1@1665,4415.47 1663,4413.47 R8.1@1663,4338.06 1659.06,4338.06 1610,4288.99 1610,4230 1700,4140 1939.6,4140 1949.6,4150 v1(2195,4150)
  Bottom Layer w12: v1(2195,4150) 2260,4085 2260,3145 2380,3025 2495,3025 2730,2790 2730,985.91 J102.30@2627.95,883.86
NetJ102_34: J102.34 R54.2 | length 1539.6
  Top Layer w12: R54.2@1669,1751.94 1669,1516 v1(1865,1320)
  Bottom Layer w12: v1(1865,1320) 1870,1320 2455,735 2576.81,735 J102.34@2627.95,683.86
NetJ102_37: J102.37 R59.2 | length 2162
  Top Layer w12: R59.2@1244,1751 1244,1470.06 1279.06,1435 1294.06,1420 v1(1340,1420) ; v1(2055,520) 2135,440 2484.09,440 J102.37@2527.95,483.86
  Bottom Layer w12: v1(1340,1420) 1415,1420 1780,1055 1780,795 v1(2055,520)
NetLED1_2: LED1.2 R88.2 | length 72.9
  Top Layer w12: LED1.2@901.02,2167.05 904.05,2164.02 968.37,2164.02 R88.2@971.39,2161
NetLED1_3: LED1.3 R87.2 | length 67.7
  Top Layer w12: R87.2@711.29,2222.93 778.9,2222.93 LED1.3@778.98,2222.85
NetLED1_4: LED1.4 R86.2 | length 65.8
  Top Layer w12: R86.2@713.53,2168.07 778.05,2168.07 LED1.4@778.98,2167.15
NetP10_2: P10.2 R77.2 | length 99.2
  Top Layer w12: P10.2@1033.07,1264.25 1033.07,1277.52 1055,1299.45 R77.2@1055,1354.41
NetP10_4: P10.4 R78.2 | length 93
  Top Layer w12: P10.4@933.07,1264.25 933.07,1347.48 R78.2@940,1354.41
NetP10_5: P10.5 R79.1 | length 94.5
  Top Layer w12: R79.1@831,1070.59 833.07,1072.66 P10.5@833.07,1164.25
NetP10_6: P10.6 R89.2 | length 91.4
  Top Layer w12: R89.2@830,1354.41 833.07,1351.34 P10.6@833.07,1264.25
NetP10_7: P10.7 R80.1 | length 99.1
  Top Layer w12: R80.1@720,1070.59 720,1137.92 733.07,1150.99 P10.7@733.07,1164.25
NetP10_8: P10.8 R90.2 | length 97.3
  Top Layer w12: R90.2@720,1354.41 722.95,1354.41 732.7,1344.66 732.7,1264.62 P10.8@733.07,1264.25
NetP10_10: P10.10 R91.2 | length 99.9
  Top Layer w12: R91.2@610,1354.41 610.25,1354.41 620,1344.66 620,1290.59 633.07,1277.52 P10.10@633.07,1264.25
NetQ1_1: Q1.1 R62.2 | length 148.7
  Top Layer w25: R62.2@421.47,3959 420,3960.47 420,4000 444.37,4024.37 483.02,4024.37 488.24,4029.58 Q1.1@488.24,4056.16
NetQ2_1: Q2.1 R66.2 | length 123
  Top Layer w25: R66.2@440,5544.53 511.99,5544.53 529.24,5527.28 Q2.1@529.24,5500.71
NetQ3_1: Q3.1 R70.2 | length 126.9
  Top Layer w25: R70.2@2030,5544.53 2033.94,5544.53 2051.18,5527.28 2121.02,5527.28 2126.24,5522.07 Q3.1@2126.24,5500.71
NetR22_1: R22.1 R23.2 U1.8 | length 172.3
  Top Layer w25: R23.2@803,2931.53 806.94,2931.53 811.87,2926.59 R22.1@872,2926.59 870.03,2926.59 867.77,2928.85 867.77,2939.73 864,2943.5 U1.8@864,3023.35
NetR24_1: R24.1 U1.2 | length 87.6
  Top Layer w25: U1.2@814,3216.65 814,3240.87 816,3242.87 R24.1@816,3303.47
NetR27_2: R27.2 U2.4 | length 81.1
  Top Layer w8: U2.4@2002.39,1020.5 2002.39,1097.86 R27.2@2005,1100.47
NetR28_2: R28.2 U2.3 | length 104.2
  Top Layer w8: R28.2@1924,1100.47 1927.94,1100.47 1976.8,1051.61 U2.3@1976.8,1020.5
NetR30_2: R30.2 U3.23 | length 81.4
  Top Layer w8: U3.23@1387.47,1040.76 1388.91,1042.19 1388.91,1063.91 1411.41,1086.41 1411.41,1102.88 R30.2@1418,1109.47
NetR31_2: R31.2 U3.24 | length 83.2
  Top Layer w8: R31.2@1334,1110 1343.06,1100.94 1343.06,1086.94 1366.22,1063.78 1366.22,1042.32 U3.24@1367.79,1040.76
NetR32_2: R32.2 U3.9 | length 79.9
  Top Layer w8: U3.9@1407.16,885.24 1407.16,858.53 1426.63,839.06 1426.63,822.37 R32.2@1433,816
NetR33_2: R33.2 U3.13 | length 66.3
  Top Layer w8: U3.13@1495.74,913.79 1504.6,913.79 1514.39,904 R33.2@1558,904
NetR34_1: R34.1 U3.8 | length 87.9
  Top Layer w8: R34.1@1348,816 1351.94,816 1363.69,827.75 1363.69,831.69 1387.47,855.47 U3.8@1387.47,885.24
NetR35_2: R35.2 R36.1 R39.2 | length 264.9
  Top Layer w12: R36.1@892.59,489 892.59,488.76 901.35,480 1001.94,480 1049,527.06 R35.2@1049,531 1049,566.59 1028.32,587.27 1026.35,587.27 1017.59,596.03 R39.2@1017.59,598
NetR37_2: R37.2 U4.5 | length 69.5
  Top Layer w12: R37.2@739.53,559 740.53,558 U4.5@808.64,558
NetR92_2: R92.2 U2.5 | length 86.4
  Top Layer w8: U2.5@2002.39,957.5 2002.39,958.11 2005.28,961 R92.2@2087,961
NetR93_1: R93.1 U1.4 | length 89.7
  Top Layer w25: U1.4@714,3216.65 714,3240.87 722,3248.87 R93.1@722,3303
OUTA_M1: DS7.1 DS8.2 IC1.1 IC1.25 IC1.30 IC1.31 J2.1 | length 2328.1
  Top Layer w25: v1(770,4555) 771.62,4553.38 804.3,4553.38 805.19,4552.49 IC1.1@805.19,4542.54 ; IC1.31@916.35,5023.31 897.88,5023.31 805.56,5115.64 805.56,5263.47 806.44,5264.36 806.44,5341.44 865,5400 DS8.2@915.47,5400 ; IC1.31@917.17,5023.31 1002.04,5108.18 1002.04,5191.56 1004.23,5193.75 1004.23,5226.25 1002.93,5227.56 1002.93,5262.13 IC1.25@1002.04,5263.02 ; J2.1@922.89,5523 918.72,5518.83 918.72,5453.25 DS7.1@915.48,5450 DS8.2@915.47,5400 ; IC1.25@1002.41,5263.02 1002.41,5313.06 DS8.2@915.47,5400
  Top Layer w59.06: v1(840,5145) 840,5099.66 916.35,5023.31 IC1.31@916.8,5022.86
  Int Layer 2 w25: v1(770,4555) 770,5075 v1(840,5145)
  Int Layer 2 w59.06: v1(840,5145) 825,5160 825,5425.11 J2.1@922.89,5523
OUTA_M2: DS9.1 DS10.2 IC2.1 IC2.25 IC2.30 IC2.31 J3.1 | length 1991.1
  Top Layer w25: v1(1470,4945) 1538.94,4945 IC2.31@1616.8,5022.86 ; v1(1502.83,4615) 1504.3,4613.53 1504.3,4543.43 IC2.1@1505.19,4542.54 ; IC2.31@1617.02,5023.16 1597.73,5023.16 1505.41,5115.48 1505.41,5263.31 1506.3,5264.2 1506.3,5289.84 1551.46,5335 1720,5335 ; IC2.25@1702.26,5263.31 1702.26,5317.26 1720,5335 ; J3.1@1722.94,5522.92 1740,5505.87 1740,5450.48 DS9.1@1740.48,5450 DS10.2@1740.47,5400 1740.47,5355.47 1720,5335
  Top Layer w59.06: IC2.31@1616.8,5022.86 1636.09,5022.86 1709.91,5096.68 1709.91,5149.91 v1(1710,5150)
  Int Layer 2 w25: v1(1470,4945) 1470,4650.13 1502.83,4617.29 v1(1502.83,4615)
  Int Layer 2 w59.06: v1(1710,5150) 1722.94,5162.94 J3.1@1722.94,5522.92
OUTA_M3: DS11.1 DS12.2 IC3.1 IC3.25 IC3.30 IC3.31 J4.1 | length 3008
  Top Layer w25: IC3.1@1119.19,3286.54 1119.19,3674.54 1211.51,3766.86 IC3.31@1230.8,3766.86 ; IC3.30@1119.41,4007.31 1119.41,3878.77 1120.89,3877.3 1120.89,3858 1211.73,3767.16 IC3.31@1230.8,3767.16 ; IC3.25@1316.04,4007.02 1316.04,3994.81 1323.62,3987.23 1323.62,3973.8 1324.26,3973.16 1324.26,3900.29 1316.26,3892.29 v1(1316.26,3890) ; J4.1@1322.94,5522.92 1360,5485.87 1360,5450.48 DS11.1@1360.48,5450 DS12.2@1360.47,5400
  Top Layer w59.06: IC3.31@1230.8,3766.86 1242.44,3766.86 1316.26,3840.68 v1(1316.26,3890)
  Int Layer 2 w59.06: v1(1316.26,3890) 1360,3933.74 1360,4255 1270,4345 1270,4980 1365,5075 1365,5480.87 J4.1@1322.94,5522.92
OUTB_M1: IC1.15 IC1.16 IC1.21 IC1.32 J2.2 R105.1 | length 1798.6
  Top Layer w25: R105.1@1060,5427.56 1067.19,5420.37 1079.43,5420.37 1159.89,5339.92 IC1.21@1159.89,5263.47 ; v1(1159.52,5150) IC1.21@1159.52,5263.02 ; IC1.32@1244.76,5022.86 1322.61,4945 v1(1395,4945) ; IC1.32@1264.42,5023.31 1356.74,5115.64 1356.74,5263.47 IC1.16@1355.85,5264.36 ; v1(1355,4610) 1355.69,4609.31 1355.69,4543.23 IC1.15@1356.37,4542.54
  Top Layer w59.06: v1(1159.52,5150) 1159.52,5096.68 1233.34,5022.86 IC1.32@1244.76,5022.86
  Int Layer 2 w25: v1(1355,4610) 1395,4650 v1(1395,4945)
  Int Layer 2 w59.06: J2.2@1041,5523 1041,5268.52 v1(1159.52,5150)
OUTB_M2: IC2.15 IC2.16 IC2.21 IC2.32 J3.2 R106.1 | length 2089.8
  Top Layer w25: J3.2@1841.06,5522.92 1890,5473.98 R106.1@1890,5427.56 1897.19,5420.37 1949.63,5420.37 2055.7,5314.3 2055.7,5264.2 2056.59,5263.31 2056.59,5115.48 IC2.32@1964.27,5023.16 ; IC2.21@1859.52,5263.02 1858.63,5262.13 1858.63,5249.93 1851.94,5243.23 1851.94,5229.8 1850,5227.86 1850,5162.29 1860,5152.29 v1(1860,5150) ; IC2.32@1944.76,5022.86 IC2.32@1964.05,5022.86 ; IC2.15@2056.37,4542.54 2056.37,4547.49 2057.26,4548.38 2093.38,4548.38 v1(2095,4550)
  Top Layer w59.06: v1(1860,5150) 1860,5096.68 1933.82,5022.86 IC2.32@1944.76,5022.86
  Int Layer 2 w25: v1(1860,5150) 2095,4915 v1(2095,4550)
  Int Layer 2 w59.06: J3.2@1841.06,5522.92 1841.06,5168.94 v1(1860,5150)
OUTB_M3: IC3.15 IC3.16 IC3.21 IC3.32 J4.2 R107.1 | length 2996.6
  Top Layer w25: J4.2@1441.06,5522.92 1501.02,5462.95 1501.02,5434.74 1508.21,5427.56 R107.1@1510,5427.56 ; IC3.21@1473.52,4007.02 1473.52,3994.81 1465.94,3987.23 1465.94,3973.8 1465,3972.86 1465,3901.03 1473.74,3892.29 v1(1473.74,3890) ; IC3.32@1558.76,3766.86 1635,3690.61 v1(1635,3620) ; IC3.32@1558.98,3767.16 1578.27,3767.16 1669.11,3858 1669.11,3871.17 1670.59,3872.65 IC3.16@1670.59,4007.31 ; v1(1670,3334.86) 1670.18,3334.68 1670.18,3286.73 IC3.15@1670.37,3286.54
  Top Layer w59.06: v1(1473.74,3890) 1473.74,3840.68 1547.56,3766.86 IC3.32@1558.76,3766.86
  Int Layer 2 w25: v1(1635,3620) 1635,3494.93 1670,3459.93 v1(1670,3334.86)
  Int Layer 2 w59.06: J4.2@1441.06,5522.92 1485,5478.98 1485,5070 1570,4985 1570,4365 1435,4230 1435,3928.74 v1(1473.74,3890)
SCL: J102.3 R27.1 R30.1 R81.1 | length 2238
  Top Layer w12: R30.1@1418,1168.53 1421.94,1168.53 1431.69,1178.28 1431.69,1182.21 1459.47,1210 1580,1210 1660,1130 1971.54,1130 2001.06,1159.53 R27.1@2005,1159.53 2005,1345 1795,1555 1795,1705 2120,2030 v1(2125,2030) ; v1(2375,2210) 2375.3,2210.3 2434.7,2210.3 R81.1@2435,2210.59 2501.59,2210.59 2527.95,2184.23 J102.3@2527.95,2183.86
  Bottom Layer w12: v1(2125,2030) 2305,2210 v1(2375,2210)
SDA: J102.5 R28.1 R31.1 R82.1 | length 2212.7
  Top Layer w12: R31.1@1334,1169.06 1337.94,1169.06 1408.88,1240 1595,1240 1675,1160 1923.53,1160 R28.1@1924,1159.53 1924,1355.14 1755,1524.14 1755,1730 2092.41,2067.41 R82.1@2435,2067.41 2500.37,2067.41 2516.82,2083.86 J102.5@2527.95,2083.86
SEQ_RST: J101.38 R91.1 | length 1190.6
  Top Layer w12: J101.38@227.95,483.86 413.86,483.86 475,545 475,757.5 575,857.5 v1(575,1070) ; v1(575,1200) 575,1373.54 607.05,1405.59 R91.1@610,1405.59
  Bottom Layer w12: v1(575,1070) v1(575,1200)
UART_RX: J101.21 R90.1 | length 712.3
  Top Layer w25: R90.1@720,1405.59 v1(720,1455)
  Bottom Layer w12: J101.21@127.95,1283.86 138.86,1283.86 185,1330 455,1330 580,1455 v1(720,1455)
UART_TX: J102.17 R89.1 | length 1797.5
  Top Layer w12: v1(1925,1530) 2481.81,1530 J102.17@2527.95,1483.86
  Top Layer w25: R89.1@830,1405.59 v1(830,1455)
  Bottom Layer w12: v1(830,1455) 905,1530 v1(1925,1530)
pads on no net: IC1.2 IC1.8 IC1.11 IC1.14 IC1.17 IC1.22 IC1.24 IC1.29 IC2.2 IC2.8 IC2.11 IC2.14 IC2.17 IC2.22 IC2.24 IC2.29 IC3.2 IC3.8 IC3.11 IC3.14 IC3.17 IC3.22 IC3.24 IC3.29 J2. J3. J4. J5. J6. J7. J8. J9. J10. J11. J12. J13. J14. J15. J16. J101.3 J101.5 J101.6 J101.7 J101.9 J101.10 J101.11 J101.12 J101.14 J101.18 J101.23 J101.25 J101.26 J101.29 J101.33 J102.7 J102.8 J102.10 J102.12 J102.14 J102.18 J102.33 J102.36 J102.38 P10.3 U1.1 U1.3 U3.2 U3.3 U3.4 U3.5 U3.6 U3.7 U3.12 U3.14 U3.15 U3.16 U3.17 U3.19 U3.21 U3.22 U4.1

## Polygon pours and split planes (outlines as drawn)
GND on Int Layer 1 "GND_L02_P002" (solid, pour order 2): 0,5905.51 2755.91,5905.51 2755.91,0 0,0
+3V3 on Int Layer 2 "+3V3_L03_P003" (solid, pour order 3): 0,5905.51 2755.91,5905.51 2755.91,0 0,0
GND on Top Layer "GND_L01_P005" (solid, pour order 5): 0,5905.51 2755.91,5905.51 2755.91,0 0,0
GND on Bottom Layer "GND_L04_P004" (solid, pour order 4): 0,5905.51 2755.91,5905.51 2755.91,0 0,0

## Keep-outs
Keep-Out Layer:
  the board outline again, w25

## Silkscreen, mask and mechanical layers (free items; w line width, h text height)
Top Overlay:
  text "MS1-V2 P.MIAILHE" at 1660,40 h60
Mechanical 1:
  text ".Pcb_File_Name_No_Path" at 0,-98.43 h60